# Altium PCB PCB MODULE AM625.PcbDoc (part 1 of 5) (continued)
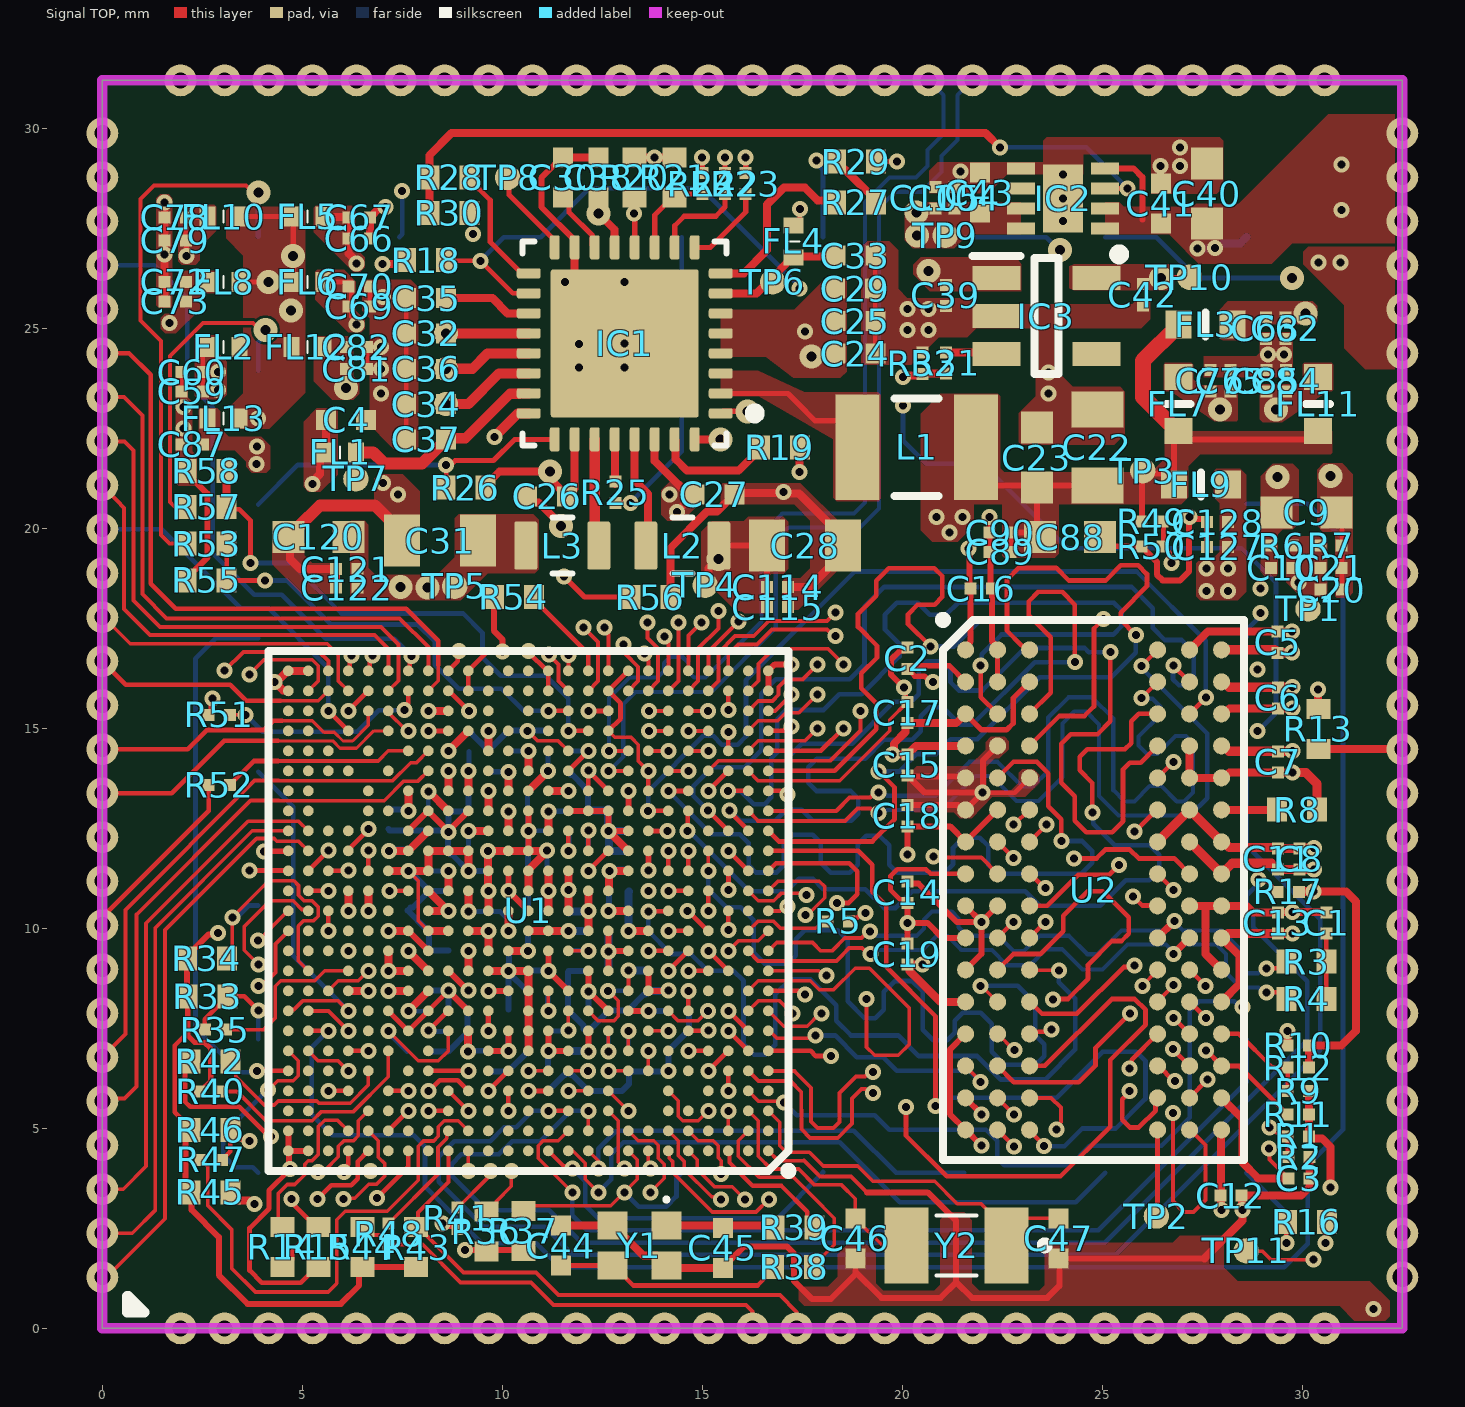
[diagram p0: Signal TOP view]
## Part data (continued)
C39 C42 C64 C67 C73 C79 C82 C87: library part CL03A105KQ3CSNC, "CAP CER 1UF 6.3V X5R 0201", Capacitance=1uF, Case/Package=0201, Case Code (Metric)=0603, Dielectric=X5R, Manufacturer=Samsung, Max Operating Temperature=85°C, Min Operating Temperature=-55°C, Supplier Part Number 1=1276-1323-2-ND, Tolerance=10%, Voltage Rating=6.3V, Case Code (Imperial)=0201, ComponentLink1Description=https://datasheet.ciiva.com/18699/cl03a105kq3csnc-18699129.pdf?src-supplier=Digi-Key, ComponentLink1URL=https://datasheet.ciiva.com/18699/cl03a105kq3csnc-18699129.pdf?src-supplier=Digi-Key, ComponentLink2Description=https://datasheet.ciiva.com/26838/getdatasheetpartid-355153-26838086.pdf?src-supplier=Verical, ComponentLink2URL=https://datasheet.ciiva.com/26838/getdatasheetpartid-355153-26838086.pdf?src-supplier=Verical, Construction=Flat, Contact Plating=Tin, Depth=0.3mm, Height=0.3mm, Length=0.6mm, Manufacturer Part Number=CL03A105KQ3CSNC, Mount="Surface Mount", Packaging="Tape and Reel", Pricing 1="10000=0.0226, 20000=0.0215, 30000=0.0204, 50000=0.0187, 100000=0.0154, 250000=0.0141 (USD)", Radiation Hardening=No, RoHS Compliant=Yes, Series=CL, Stock 1=1049900, Supplier 1=Digi-Key, Thickness=0.013inch, Width=0.012inch
C41: library part C1005X5R1C105K, "CAP CER 1.0UF 16V X5R 0402", Capacitance=1.0µF, Manufacturer="TDK Corporation", Operating Temperature="-55°C ~ 85°C", Package / Case="0402 (1005 Metric)", Ratings=-, Supplier Part Number=445-4978-1-ND, Temperature Coefficient=X5R, Tolerance=±10%, Voltage - Rated=16V, .Checked PCB=used, .Checked SCH=used, Applications="General Purpose", Category=Capacitors, ComponentLink1Description=http://www.tdk.co.jp/tefe02/e412_c.pdf, ComponentLink1URL=http://www.tdk.co.jp/tefe02/e412_c.pdf, Features=-, Height - Seated (Max)=-, Lead Spacing=-, Lead Style=-, Manufacturer Part Number=C1005X5R1C105K, Mounting Type="Surface Mount, MLCC", Packaging="Cut Tape (CT)", Price 1k [$]=0.02080, Pricing 1="1=0.24, 10=0.16, 100=0.064, 250=0.046, 500=0.0328, 1000=0.024 (USD)", RoHS="RoHS Compliant", Size / Dimension="0.039\" L x 0.020\" W (1.00mm x 0.50mm)", Stock 1=341010, Supplier=Digikey, Supplier 1=Digi-Key, Supplier Part Number 1=445-4978-1-ND, Thickness (Max)="0.022\" (0.55mm)"
C43: library part C1005X5R1H104K, "CAP CER .10UF 50V X5R 10% 0402", Capacitance=0.1µF, Manufacturer="TDK Corporation", Operating Temperature="-55°C ~ 85°C", Package / Case="0402 (1005 Metric)", Ratings=-, Supplier Part Number=445-5942-1-ND, Temperature Coefficient=X5R, Tolerance=±10%, Voltage - Rated=50V, .Checked PCB=used, .Checked SCH=used, Applications="General Purpose", Category=Capacitors, ComponentLink1Description=http://www.tdk.co.jp/tefe02/e412_c.pdf, ComponentLink1URL=http://www.tdk.co.jp/tefe02/e412_c.pdf, Features=-, Height - Seated (Max)=-, Lead Spacing=-, Lead Style=-, Manufacturer Part Number=C1005X5R1H104K, Mounting Type="Surface Mount, MLCC", Packaging="Cut Tape (CT)", Price 1k [$]=0.02340, Pricing 1="1=0.27, 10=0.18, 100=0.072, 250=0.05176, 500=0.0369, 1000=0.027 (USD)", RoHS="RoHS Compliant", Size / Dimension="0.039\" L x 0.020\" W (1.00mm x 0.50mm)", Stock 1=106926, Supplier=Digikey, Supplier 1=Digi-Key, Supplier Part Number 1=445-5942-1-ND, Thickness (Max)="0.022\" (0.55mm)"
C44 C45: library part GJM1555C1H180JB01D, "CAP CER 18PF 50V C0G/NP0 0402", Capacitance=18pF, Case/Package=0402, Case Code (Metric)=1005, Dielectric=C0G, Manufacturer=Murata, Max Operating Temperature=125°C, Min Operating Temperature=-55°C, Package Quantity=1, Supplier Part Number 1=490-3119-6-ND, Tolerance=5%, VOLTAGE=50V, Case Code (Imperial)=0402, ComponentLink1Description=https://datasheet.ciiva.com/156/product-156024.pdf?src-supplier=Digi-Key, ComponentLink1URL=https://datasheet.ciiva.com/156/product-156024.pdf?src-supplier=Digi-Key, ComponentLink2Description=https://datasheet.ciiva.com/18183/getdatasheetpartid-500953-18183813.pdf?src-supplier=Verical, ComponentLink2URL=https://datasheet.ciiva.com/18183/getdatasheetpartid-500953-18183813.pdf?src-supplier=Verical, ComponentLink3Description=https://datasheet.ciiva.com/156/partnumbering-e-01-156025.pdf?src-supplier=Digi-Key, ComponentLink3URL=https://datasheet.ciiva.com/156/partnumbering-e-01-156025.pdf?src-supplier=Digi-Key, ComponentLink4Description=https://datasheet.ciiva.com/156/partnumbering-e-01-156026.pdf?src-supplier=Digi-Key, ComponentLink4URL=https://datasheet.ciiva.com/156/partnumbering-e-01-156026.pdf?src-supplier=Digi-Key, Construction=Flat, Depth=0.5mm, Height=0.5mm, Lead Free="Lead Free", Length=1mm, Manufacturer Part Number=GJM1555C1H180JB01D, Mount="Surface Mount", Packaging="Tape and Reel", Pricing 1="1=0.15, 10=0.109, 50=0.0622, 100=0.0515, 500=0.0361, 1000=0.0299, 2500=0.0278, 5000=0.0254 (USD)", Radiation Hardening=No, RoHS Compliant=Yes, Series=GJM, Stock 1=411624, Supplier 1=Digi-Key, Termination=SMD/SMT, Thickness=0.022inch, Voltage Rating=50V, Voltage Rating (DC)=50V, Width=0.02inch
C46 C47: library part GJM1555C1H9R0DB01D, "CAP CER 9PF 50V C0G/NP0 0402", Capacitance=9pF, Case/Package=0402, Case Code (Metric)=1005, Dielectric=C0G, Manufacturer=Murata, Max Operating Temperature=125°C, Min Operating Temperature=-55°C, Package Quantity=10000, Supplier Part Number 1=490-14793-2-ND, Voltage Rating=50V, Case Code (Imperial)=0402, ComponentLink1Description=https://datasheet.ciiva.com/164/product-164917.pdf?src-supplier=Digi-Key, ComponentLink1URL=https://datasheet.ciiva.com/164/product-164917.pdf?src-supplier=Digi-Key, ComponentLink2Description=https://datasheet.ciiva.com/11609/product-11609467.pdf?src-supplier=Avnet, ComponentLink2URL=https://datasheet.ciiva.com/11609/product-11609467.pdf?src-supplier=Avnet, Construction=Flat, Depth=0.5mm, Height=0.5mm, Length=1mm, Manufacturer Part Number=GJM1555C1H9R0DB01D, Mount="Surface Mount", Packaging="Tape and Reel", Pricing 1="10000=0.0082, 20000=0.0078, 30000=0.0074, 50000=0.0067, 100000=0.0054, 250000=0.0052 (USD)", Radiation Hardening=No, RoHS Compliant=Yes, Series=GJM, Stock 1=0, Supplier 1=Digi-Key, Termination=SMD/SMT, Thickness=0.022inch, Voltage Rating (DC)=50V, Width=0.02inch
C48 C49 C50 C51 C52 C53 C54 C55 C56 C90 C105 C115 C122 C128: library part CL03A105KQ3CSNC, "CAP CER 1UF 6.3V X5R 0201", Case/Package=0201, Case Code (Metric)=0603, Dielectric=X5R, Manufacturer=Samsung, Max Operating Temperature=85°C, Min Operating Temperature=-55°C, Supplier Part Number 1=1276-1323-2-ND, Tolerance=10%, Voltage Rating=6.3V, Capacitance=1uF, Case Code (Imperial)=0201, ComponentLink1Description=https://datasheet.ciiva.com/18699/cl03a105kq3csnc-18699129.pdf?src-supplier=Digi-Key, ComponentLink1URL=https://datasheet.ciiva.com/18699/cl03a105kq3csnc-18699129.pdf?src-supplier=Digi-Key, ComponentLink2Description=https://datasheet.ciiva.com/26838/getdatasheetpartid-355153-26838086.pdf?src-supplier=Verical, ComponentLink2URL=https://datasheet.ciiva.com/26838/getdatasheetpartid-355153-26838086.pdf?src-supplier=Verical, Construction=Flat, Contact Plating=Tin, Depth=0.3mm, Height=0.3mm, Length=0.6mm, Manufacturer Part Number=CL03A105KQ3CSNC, Mount="Surface Mount", Packaging="Tape and Reel", Pricing 1="10000=0.0226, 20000=0.0215, 30000=0.0204, 50000=0.0187, 100000=0.0154, 250000=0.0141 (USD)", Radiation Hardening=No, RoHS Compliant=Yes, Series=CL, Stock 1=1049900, Supplier 1=Digi-Key, Thickness=0.013inch, Width=0.012inch
C57: library part C0603C0G1H2R2C030BA, "CAP CER 2.2PF 50V C0G 0201", Capacitance=2.2pF, Manufacturer="TDK Corporation", Operating Temperature="-55°C ~ 125°C", Package / Case="0201 (0603 Metric)", Ratings=-, Supplier Part Number 1=445-1771-1-ND, Temperature Coefficient="C0G, NP0", Tolerance=±0.25pF, Voltage - Rated=50V, .Checked PCB=MM, .Checked SCH=MM, .Creator=MM, Applications="General Purpose", Category=Capacitors, ComponentLink1Description=http://product.tdk.com/en/catalog/datasheets/mlcc_commercial_general_en.pdf, ComponentLink1URL=http://product.tdk.com/en/catalog/datasheets/mlcc_commercial_general_en.pdf, Features=-, Height - Seated (Max)=-, Lead Spacing=-, Lead Style=-, Manufacturer Part Number=C0603C0G1H2R2C030BA, Mounting Type="Surface Mount, MLCC", Packaging="Cut Tape (CT)", Pricing 1="1=0.1, 10=0.027, 100=0.0123, 250=0.01008, 500=0.00864, 1000=0.0066, 5000=0.0055 (USD)", RoHS="RoHS Compliant", Size / Dimension="0.024\" L x 0.012\" W (0.60mm x 0.30mm)", Stock 1=90496, Supplier 1=Digi-Key, Thickness (Max)="0.013\" (0.33mm)"
C60 C63 C70 C76 C85 C89 C104 C114 C121 C127: library part GRM035R60J475ME15D, "CAP CER 4.7UF 6.3V X5R 0201", Case/Package=0201, Case Code (Metric)=0603, Dielectric=X5R, Manufacturer=Murata, Max Operating Temperature=85°C, Min Operating Temperature=-55°C, Supplier Part Number 1=490-13230-2-ND, Tolerance=20%, Voltage Rating=6.3V, Capacitance=4.7uF, Case Code (Imperial)=0201, ComponentLink1Description=https://datasheet.octopart.com/GRM035R60J475ME15D-Murata-datasheet-140089765.pdf?src-supplier=Future+Electronics, ComponentLink1URL=https://datasheet.octopart.com/GRM035R60J475ME15D-Murata-datasheet-140089765.pdf?src-supplier=Future+Electronics, ComponentLink2Description=http://www.farnell.com/datasheets/2853106.pdf?src-supplier=Farnell, ComponentLink2URL=http://www.farnell.com/datasheets/2853106.pdf?src-supplier=Farnell, ComponentLink3Description=http://www.farnell.com/datasheets/2853106.pdf?src-supplier=Newark, ComponentLink3URL=http://www.farnell.com/datasheets/2853106.pdf?src-supplier=Newark, ComponentLink4Description=https://datasheet.octopart.com/GRM035R60J475ME15D-Murata-datasheet-149522819.pdf?src-supplier=Farnell, ComponentLink4URL=https://datasheet.octopart.com/GRM035R60J475ME15D-Murata-datasheet-149522819.pdf?src-supplier=Farnell, ComponentLink5Description=http://search.murata.co.jp/Ceramy/image/img/A01X/G101/ENG/GRM035R60J475ME15-01.pdf?src-supplier=Digi-Key, ComponentLink5URL=http://search.murata.co.jp/Ceramy/image/img/A01X/G101/ENG/GRM035R60J475ME15-01.pdf?src-supplier=Digi-Key, ComponentLink6Description=https://datasheet.octopart.com/GRM035R60J475ME15D-Murata-datasheet-165579666.pdf?src-supplier=TME, ComponentLink6URL=https://datasheet.octopart.com/GRM035R60J475ME15D-Murata-datasheet-165579666.pdf?src-supplier=TME, Length=0.024inch, Manufacturer Part Number=GRM035R60J475ME15D, Mount="Surface Mount", Packaging="Cut Tape", Pricing 1="10000=0.044, 50000=0.0377, 100000=0.0333, 250000=0.0331 (USD)", RoHS Compliant=Yes, Series=GRM, Stock 1=1730472, Supplier 1=Digi-Key, Thickness=0.022inch, Voltage Rating (DC)=6.3V, Width=0.012inch
FL1 FL2 FL4 FL5 FL6 FL8 FL10 FL12 FL13: "FERRITE BEAD 120 OHM 0402 1LN", Case/Package=0402, Case Code (Metric)=1005, Current Rating=2A, DC Resistance (DCR)=55mR, Manufacturer=Murata, Max Operating Temperature=125°C, Min Operating Temperature=-55°C, Package Quantity=1, Supplier Part Number 1=490-9656-2-ND, Test Frequency=100MHz, Tolerance=25%, Case Code (Imperial)=0402, ComponentLink1Description=https://datasheet.ciiva.com/41449/001172210-da-01-en-drossel-0402-120r-1-0x0-5mm-10000st-41449498.pdf?src-supplier=Conrad, ComponentLink1URL=https://datasheet.ciiva.com/41449/001172210-da-01-en-drossel-0402-120r-1-0x0-5mm-10000st-41449498.pdf?src-supplier=Conrad, ComponentLink2Description=https://datasheet.ciiva.com/41860/l0110e-41860699.pdf?src-supplier=Digi-Key, ComponentLink2URL=https://datasheet.ciiva.com/41860/l0110e-41860699.pdf?src-supplier=Digi-Key, ComponentLink3Description=https://datasheet.ciiva.com/29364/l0110e-29364069.pdf?src-supplier=Digi-Key, ComponentLink3URL=https://datasheet.ciiva.com/29364/l0110e-29364069.pdf?src-supplier=Digi-Key, Height=0.5mm, Impedance=120R, Lead Free="Lead Free", Length=1mm, Manufacturer Part Number=BLM15PX121SN1D, Material=Steel, Max Current Rating=2A, Max DC Current=2A, Number of Circuits=1, Number of Lines=1, Number of Pins=2, Packaging="Tape and Reel", Pricing 1="10000=0.0196 (USD)", Reach SVHC Compliant=Yes, RoHS Compliant=Yes, Series="EMIFIL®, BLM15P", Stock 1=490000, Supplier 1=Digi-Key, Termination=SMD/SMT, Weight=2.3E-05oz, Width=0.5mm
FL3 FL7 FL9 FL11: "FERRITE BEAD 26 OHM 0603 1LN", Case/Package=0603, Case Code (Metric)=1608, Current Rating=6A, DC Resistance (DCR)=7mR, Frequency=100MHz, Manufacturer=Murata, Max Operating Temperature=125°C, Min Operating Temperature=-55°C, Package Quantity=1, Supplier Part Number 1=490-3995-2-ND, Tolerance=25%, Case Code (Imperial)=0603, ComponentLink1Description=https://datasheet.ciiva.com/5709/5151-5709200.pdf?src-supplier=Farnell, ComponentLink1URL=https://datasheet.ciiva.com/5709/5151-5709200.pdf?src-supplier=Farnell, ComponentLink2Description=https://datasheet.ciiva.com/18183/getdatasheetpartid-243591-18183212.pdf?src-supplier=Verical, ComponentLink2URL=https://datasheet.ciiva.com/18183/getdatasheetpartid-243591-18183212.pdf?src-supplier=Verical, ComponentLink3Description=https://datasheet.ciiva.com/41449/001171725-da-01-en-chip-drossel0603-26r-6000ma-1-6x0-8mm-41449354.pdf?src-supplier=Conrad, ComponentLink3URL=https://datasheet.ciiva.com/41449/001171725-da-01-en-chip-drossel0603-26r-6000ma-1-6x0-8mm-41449354.pdf?src-supplier=Conrad, ComponentLink4Description=https://datasheet.ciiva.com/41449/001172314-da-01-en-drossel-0603-26r-1-6x0-8mm-10000st-41449676.pdf?src-supplier=Conrad, ComponentLink4URL=https://datasheet.ciiva.com/41449/001172314-da-01-en-drossel-0603-26r-1-6x0-8mm-10000st-41449676.pdf?src-supplier=Conrad, ComponentLink5Description=https://datasheet.ciiva.com/6212/l0110s0100blm18s-6212362.pdf?src-supplier=Digi-Key, ComponentLink5URL=https://datasheet.ciiva.com/6212/l0110s0100blm18s-6212362.pdf?src-supplier=Digi-Key, Core Material=Ferrite, DC Current=6A, DC Resistance-Max=7mR, Depth=0.8mm, Height=0.8mm, Impedance=26R, Lead Free="Lead Free", Length=1.6mm, Manufacturer Part Number=BLM18SG260TN1D, Material=Steel,Ferrite, Max Current Rating=6A, Max DC Current=6A, Military Standard=Not, Number of Circuits=1, Number of Lines=1, Number of Pins=2, Packaging="Tape and Reel", Pricing 1="10000=0.032, 20000=0.0305, 30000=0.0297 (USD)", Radiation Hardening=No, Reach SVHC Compliant=Yes, RoHS Compliant=Yes, Series=BLM18S, Stock 1=170000, Supplier 1=Digi-Key, Termination=SMD/SMT, Test Frequency=100MHz, Width=0.8mm
IC1: "INTEGRATED POWER MANAGEMENT", Arrow Part Number=TPS92682QRHMRQ1, Manufacturer="Texas Instruments", Mouser Part Number=595-TPS92682QRHMRQ1, Supplier Part Number 1=296-TPS6521904RHBRTR-ND, Arrow Price/Stock=https://www.arrow.com/en/products/tps92682qrhmrq1/texas-instruments, Datasheet Link=http://www.ti.com/lit/gpn/TPS92682-Q1, Height=0.9mm, Manufacturer_Name="Texas Instruments", Manufacturer_Part_Number=TPS92682QRHMRQ1, Manufacturer Part Number=TPS6521904RHBR, Mouser Price/Stock=https://www.mouser.co.uk/ProductDetail/Texas-Instruments/TPS92682QRHMRQ1?qs=RcG8xmE7yp2UHbI0mG8Vdw%3D%3D, Pricing 1="3000=1.4508, 6000=1.3962 (USD)", Stock 1=0, Supplier 1=Digi-Key
IC2: "Integrated Circuit", CURRENT=6A, Manufacturer="Texas Instruments", Max Operating Temperature=105°C, Max Supply Voltage=5.5V, Min Operating Temperature=-40°C, Mouser Part Number=595-TPS22965DSGT, On-State Resistance=16mR, Package Quantity=250, Quiescent Current=50uA, Supplier Part Number 1=3124076RL, Arrow Part Number=TPS22965DSGT, Arrow Price/Stock=https://www.arrow.com/en/products/tps22965dsgt/texas-instruments?region=nac, ComponentLink1Description=https://datasheet.ciiva.com/28652/1787980-28652428.pdf?src-supplier=Element14, ComponentLink1URL=https://datasheet.ciiva.com/28652/1787980-28652428.pdf?src-supplier=Element14, ComponentLink2Description=https://datasheet.ciiva.com/12073/tps22965-213489-12073929.pdf?src-supplier=Mouser, ComponentLink2URL=https://datasheet.ciiva.com/12073/tps22965-213489-12073929.pdf?src-supplier=Mouser, ComponentLink3Description=https://datasheet.ciiva.com/26909/getdatasheetpartid-636510-26909269.pdf?src-supplier=Verical, ComponentLink3URL=https://datasheet.ciiva.com/26909/getdatasheetpartid-636510-26909269.pdf?src-supplier=Verical, ComponentLink4Description=https://datasheet.ciiva.com/46385/1887483-46385450.pdf?src-supplier=Element14, ComponentLink4URL=https://datasheet.ciiva.com/46385/1887483-46385450.pdf?src-supplier=Element14, ComponentLink5Description=https://datasheet.ciiva.com/6608/tps22965-6608203.pdf?src-supplier=Digi-Key, ComponentLink5URL=https://datasheet.ciiva.com/6608/tps22965-6608203.pdf?src-supplier=Digi-Key, ComponentLink6Description=https://datasheet.ciiva.com/6608/tps22965-6608201.pdf?src-supplier=Digi-Key, ComponentLink6URL=https://datasheet.ciiva.com/6608/tps22965-6608201.pdf?src-supplier=Digi-Key, ComponentLink7Description=https://datasheet.ciiva.com/6608/tps22965-6608205.pdf?src-supplier=Digi-Key, ComponentLink7URL=https://datasheet.ciiva.com/6608/tps22965-6608205.pdf?src-supplier=Digi-Key, Contact Plating=Gold, Datasheet Link=http://www.ti.com/general/docs/suppproductinfo.tsp?distId=10&gotoUrl=http%3A%2F%2Fwww.ti.com%2Flit%2Fgpn%2Ftps22965, Height=0.8mm, Interface=On/Off, Lead Free="Lead Free", Length=2.1mm, Manufacturer_Name="Texas Instruments", Manufacturer_Part_Number=TPS22965DSGT, Manufacturer Part Number=TPS22965DSGT, Max Output Current=6A, Mount="Surface Mount", Mouser Price/Stock=https://www.mouser.co.uk/ProductDetail/Texas-Instruments/TPS22965DSGT?qs=VMlqFFbv3sTWjOIm1M%252B0jg%3D%3D, Number of Channels=1, Number of Outputs=1, Number of Pins=8, Output Configuration="High Side", Output Current=6A, Packaging="Tape and Reel", Pricing 1="100=0.547, 250=0.54, 500=0.531, 1000=0.524, 2500=0.516, 5000=0.508 (GBP)", Radiation Hardening=No, Reach SVHC Compliant=Yes, RoHS Compliant=Yes, Series=-, Stock 1=70, Supplier 1=Farnell, Turn-Off Delay Time=80us, Turn-On Delay Time=2.2ms, VOLTAGE=5.5V, Weight=0.000384oz, Width=2.1mm
IC3: "IC REG LINEAR 1.8V 500MA SOT23-5", Case/Package=SOT-23-5, Dropout Voltage=400mV, Manufacturer="Texas Instruments", Max Input Voltage=5.5V, Max Operating Temperature=125°C, Max Output Voltage=3.3V, Min Operating Temperature=-40°C, Min Output Voltage=1.8V, Mouser Part Number=595-TLV75518PDBVR, Output Current=500mA, Power Supply Rejection Ratio (PSRR)=52dB, Quiescent Current=31uA, Supplier Part Number 1=296-50410-2-ND, Arrow Part Number=TLV75518PDBVR, Arrow Price/Stock=https://www.arrow.com/en/products/tlv75518pdbvr/texas-instruments?region=nac, ComponentLink1Description=http://www.ti.com/lit/ds/symlink/tlv755p.pdf?src-supplier=Digi-Key, ComponentLink1URL=http://www.ti.com/lit/ds/symlink/tlv755p.pdf?src-supplier=Digi-Key, ComponentLink2Description=http://www.ti.com/general/docs/suppproductinfo.tsp?distId=10&amp;gotoUrl=http%3A%2F%2Fwww.ti.com%2Flit%2Fgpn%2Ftlv755p&src-supplier=Digi-Key, ComponentLink2URL=http://www.ti.com/general/docs/suppproductinfo.tsp?distId=10&amp;gotoUrl=http%3A%2F%2Fwww.ti.com%2Flit%2Fgpn%2Ftlv755p&src-supplier=Digi-Key, Datasheet Link=http://www.ti.com/lit/gpn/tlv755p, Height=1.45mm, Manufacturer_Name="Texas Instruments", Manufacturer_Part_Number=TLV75518PDBVR, Manufacturer Part Number=TLV75518PDBVR, Mount="Surface Mount", Mouser Price/Stock=https://www.mouser.co.uk/ProductDetail/Texas-Instruments/TLV75518PDBVR?qs=55YtniHzbhCKl5yPgBW9OQ%3D%3D, Number of Regulators=1, Output Configuration=Positive, Output Type=Fixed, Packaging="Cut Tape", Pricing 1="3000=0.1054, 6000=0.0996, 15000=0.0908, 30000=0.0849, 75000=0.0762 (USD)", Stock 1=9000, Supplier 1=Digi-Key
L1: library part DFE322520F-R47M=P2, "FIXED IND 0.47UH 8.5A", Manufacturer=Murata, Manufacturer Part Number=DFE322520F-R47M=P2, Supplier Part Number 1=490-DFE322520F-R47M=P2DKR-ND, Pricing 1="1=0.7, 10=0.648, 25=0.548, 50=0.4982, 100=0.4683, 250=0.4185, 500=0.3587, 1000=0.3188 (USD)", Stock 1=1396, Supplier 1=Digi-Key
L2 L3: library part TFM201208BLE-R47MTCF, "470 nH Shielded Thin Film Inductor 4 A 29mOhm Max 0805 (2012 Metric)", Manufacturer=TDK, Supplier Part Number 1=445-TFM201208BLE-R47MTCFDKR-ND, Manufacturer Part Number=TFM201208BLE-R47MTCF, Pricing 1="1=0.55, 10=0.507, 25=0.4288, 50=0.3898, 100=0.3664, 250=0.3274, 500=0.2807, 1000=0.2495 (USD)", Stock 1=2175, Supplier 1=Digi-Key
PIN1: library part PIN_OUT
R1 R2 R6 R7 R9 R12: library part RC0201FR-071KL, "RES 1K OHM 1/20W 1% 0201 SMD", Manufacturer=Yageo, Package / Case="0201 (0603 Metric)", Power (Watts)="0.05W, 1/20W", Supplier Device Package=0201, Supplier Part Number 1=311-1KMCT-ND, Temperature Coefficient=±200ppm/°C, Tolerance=±1%, .Checked PCB=MM, .Checked SCH=MM, .Creator=MM, Category=Resistors, ComponentLink1Description=http://www.yageo.com/documents/recent/PYu-RC0201_51_RoHS_L_8.pdf, ComponentLink1URL=http://www.yageo.com/documents/recent/PYu-RC0201_51_RoHS_L_8.pdf, Composition="Thick Film", Features="Moisture Resistant", Height="0.010\" (0.26mm)", Manufacturer Part Number=RC0201FR-071KL, Number of Terminations=2, Packaging="Cut Tape (CT)", Pricing 1="1=0.1, 10=0.074, 25=0.054, 100=0.0303, 250=0.02312, 500=0.0185, 1000=0.01361, 2500=0.01182, 5000=0.00976 (USD)", Resistance (Ohms)=1k, RoHS="RoHS Compliant", Size / Dimension="0.024\" L x 0.012\" W (0.60mm x 0.30mm)", Stock 1=0, Supplier 1=Digi-Key
R3 R4: library part RMCF0402FT39R2, "RES 39.2 OHM 1% 1/16W 0402", Case/Package=0402, Case Code (Metric)=1005, Manufacturer="Stackpole Electronics", Max Operating Temperature=155°C, Max Power Dissipation=63mW, Min Operating Temperature=-55°C, Resistor Type="Thick Film", Supplier Part Number 1=RMCF0402FT39R2TR-ND, Temperature Coefficient=100ppm/°C, Tolerance=1%, Case Code (Imperial)=0402, ComponentLink1Description=https://www.seielect.com/catalog/SEI-RMCF_RMCP.pdf?src-supplier=Avnet, ComponentLink1URL=https://www.seielect.com/catalog/SEI-RMCF_RMCP.pdf?src-supplier=Avnet, ComponentLink2Description=https://www.seielect.com/catalog/SEI-Packaging.pdf?src-supplier=Digi-Key, ComponentLink2URL=https://www.seielect.com/catalog/SEI-Packaging.pdf?src-supplier=Digi-Key, ComponentLink3Description=https://www.seielect.com/catalog/sei-rmcf_rmcp.pdf?src-supplier=Digi-Key, ComponentLink3URL=https://www.seielect.com/catalog/sei-rmcf_rmcp.pdf?src-supplier=Digi-Key, Contact Plating=Tin,Matte, Features="Automotive AEC-Q200", Height=0.016inch, Lead Free="Lead Free", Length=0.039inch, Manufacturer Part Number=RMCF0402FT39R2, Mount="Surface Mount", Number of Terminations=2, Packaging="Tape and Reel", Pricing 1="10000=0.0028, 20000=0.0025, 30000=0.0023, 50000=0.0021, 100000=0.0019 (USD)", Radiation Hardening=No, Resistance=39.2R, RoHS Compliant=Yes, Series=RMCF, Stock 1=220000, Supplier 1=Digi-Key, Width=0.02inch
R5: library part RMCF0201FT240R, "RES 240 OHM 1/20W 1% 0201", Manufacturer="Stackpole Electronics Inc", Package / Case="0201 (0603 Metric)", Power (Watts)="0.05W, 1/20W", Resistance (Ohms)=240, Supplier Device Package=0201, Supplier Part Number 1=RMCF0201FT240RCT-ND, Temperature Coefficient=±200ppm/°C, Tolerance=±1%, .Checked PCB=MM, .Checked SCH=MM, .Creator=MM, Category=Resistors, ComponentLink1Description=http://www.seielect.com/Catalog/SEI-RMCF_RMCP.pdf, ComponentLink1URL=http://www.seielect.com/Catalog/SEI-RMCF_RMCP.pdf, Composition="Thick Film", Features=-, Height="0.009\" (0.24mm)", Manufacturer Part Number=RMCF0201FT240R, Number of Terminations=2, Packaging="Cut Tape (CT)", Pricing 1="1=0.12, 10=0.084, 50=0.046, 100=0.035, 250=0.026, 500=0.0192, 1000=0.0128, 2500=0.0108, 5000=0.009 (USD)", RoHS="RoHS Compliant", Size / Dimension="0.024\" L x 0.012\" W (0.60mm x 0.30mm)", Stock 1=37080, Supplier 1=Digi-Key
R8: library part RMCF0402FT240R, "RES TF 240 OHM 1% 0.0625W 0402", Manufacturer="Stackpole Electronics Inc", Package / Case="0402 (1005 Metric)", Power (Watts)="0.063W, 1/16W", Resistance (Ohms)=240, Supplier Part Number=RMCF0402FT240RCT-ND, Temperature Coefficient=±100ppm/°C, Tolerance=±1%, .Checked PCB=used, .Checked SCH=used, Category=Resistors, ComponentLink1Description=http://www.seielect.com/Catalog/SEI-RMCF.pdf, ComponentLink1URL=http://www.seielect.com/Catalog/SEI-RMCF.pdf, Composition="Thick Film", Features=-, Height="0.016\" (0.40mm)", Manufacturer Part Number=RMCF0402FT240R, Number of Terminations=2, Packaging="Cut Tape (CT)", Price 1k [$]=0.00384, Pricing 1="1=0.04, 10=0.025, 50=0.0138, 100=0.0105, 250=0.0078, 500=0.00576, 1000=0.00384 (USD)", RoHS="RoHS Compliant", Size / Dimension="0.039\" L x 0.020\" W (1.00mm x 0.50mm)", Stock 1=39860, Supplier=Digikey, Supplier 1=Digi-Key, Supplier Part Number 1=RMCF0402FT240RCT-ND
R10 R11 R17 R32 R40 R41: library part RC0201FR-0710KL, "RES 10K OHM 1/20W 1% 0201 SMD", Manufacturer=Yageo, Package / Case="0201 (0603 Metric)", Power (Watts)="0.05W, 1/20W", Supplier Device Package=0201, Supplier Part Number 1=311-10.0KMCT-ND, Temperature Coefficient=±200ppm/°C, Tolerance=±1%, .Checked PCB=MM, .Checked SCH=MM, .Creator=MM, Category=Resistors, ComponentLink1Description=http://www.yageo.com/documents/recent/PYu-RC0201_51_RoHS_L_8.pdf, ComponentLink1URL=http://www.yageo.com/documents/recent/PYu-RC0201_51_RoHS_L_8.pdf, Composition="Thick Film", Features="Moisture Resistant", Height="0.010\" (0.26mm)", Manufacturer Part Number=RC0201FR-0710KL, Number of Terminations=2, Packaging="Cut Tape (CT)", Pricing 1="1=0.1, 10=0.074, 25=0.054, 100=0.0303, 250=0.02312, 500=0.0185, 1000=0.01361, 2500=0.01182, 5000=0.00976 (USD)", Resistance (Ohms)=10k, RoHS="RoHS Compliant", Size / Dimension="0.024\" L x 0.012\" W (0.60mm x 0.30mm)", Stock 1=529049, Supplier 1=Digi-Key
R13 R16: library part RC0402FR-0722RL, "RES 22.0 OHM 1/16W 1% 0402 SMD", Manufacturer=Yageo, Package / Case="0402 (1005 Metric)", Power (Watts)="0.063W, 1/16W", Resistance (Ohms)=22, Supplier Part Number=311-22.0LRCT-ND, Temperature Coefficient=±100ppm/°C, Tolerance=±1%, .Checked PCB=used, .Checked SCH=used, Category=Resistors, ComponentLink1Description=http://www.yageo.com/documents/recent/PYu-RC0402_51_RoHS_L_6.pdf, ComponentLink1URL=http://www.yageo.com/documents/recent/PYu-RC0402_51_RoHS_L_6.pdf, Composition="Thick Film", Features=-, Height="0.016\" (0.40mm)", Manufacturer Part Number=RC0402FR-0722RL, Number of Terminations=2, Packaging="Cut Tape (CT)", Price 1k [$]=0.01421, Pricing 1="10=0.014, 50=0.0104, 100=0.0079, 250=0.00584, 500=0.00432, 1000=0.00288 (USD)", RoHS="RoHS Compliant", Size / Dimension="0.039\" L x 0.020\" W (1.00mm x 0.50mm)", Stock 1=943800, Supplier=Digikey, Supplier 1=Digi-Key, Supplier Part Number 1=311-22.0LRCT-ND
R14 R26 R27 R28 R38 R39 R42: library part RC0402JR-070RL, "RES 0.0 OHM 1/16W 0402 SMD", Manufacturer=Yageo, Package / Case="0402 (1005 Metric)", Power (Watts)="0.063W, 1/16W", Resistance (Ohms)=0.0, Supplier Part Number=311-0.0JRCT-ND, Temperature Coefficient=-, Tolerance=Jumper, .Checked PCB=used, .Checked SCH=used, Category=Resistors, ComponentLink1Description=http://www.yageo.com/documents/recent/PYu-RC0402_51_RoHS_L_6.pdf, ComponentLink1URL=http://www.yageo.com/documents/recent/PYu-RC0402_51_RoHS_L_6.pdf, Composition="Thick Film", Features=-, Height="0.016\" (0.40mm)", Manufacturer Part Number=RC0402JR-070RL, Number of Terminations=2, Packaging="Cut Tape (CT)", Price 1k [$]=0.01389, Pricing 1="10=0.012, 50=0.009, 100=0.0069, 250=0.00512, 500=0.0038, 1000=0.00253 (USD)", RoHS="RoHS Compliant", Size / Dimension="0.039\" L x 0.020\" W (1.00mm x 0.50mm)", Stock 1=1106330, Supplier=Digikey, Supplier 1=Digi-Key, Supplier Part Number 1=311-0.0JRCT-ND
R15: library part RC0402FR-0749R9L, "RES 49.9 OHM 1/16W 1% 0402 SMD", Manufacturer=Yageo, Package / Case="0402 (1005 Metric)", Power (Watts)="0.063W, 1/16W", Resistance (Ohms)=49.9, Supplier Part Number=311-49.9LRCT-ND, Temperature Coefficient=±100ppm/°C, Tolerance=±1%, .Checked PCB=used, .Checked SCH=used, Category=Resistors, ComponentLink1Description=http://www.yageo.com/documents/recent/PYu-RC0402_51_RoHS_L_6.pdf, ComponentLink1URL=http://www.yageo.com/documents/recent/PYu-RC0402_51_RoHS_L_6.pdf, Composition="Thick Film", Features=-, Height="0.016\" (0.40mm)", Manufacturer Part Number=RC0402FR-0749R9L, Number of Terminations=2, Packaging="Cut Tape (CT)", Price 1k [$]=0.01421, Pricing 1="10=0.014, 50=0.0104, 100=0.0079, 250=0.00584, 500=0.00432, 1000=0.00288 (USD)", RoHS="RoHS Compliant", Size / Dimension="0.039\" L x 0.020\" W (1.00mm x 0.50mm)", Stock 1=235950, Supplier=Digikey, Supplier 1=Digi-Key, Supplier Part Number 1=311-49.9LRCT-ND
R18 R19 R20 R21 R29 R30 R53 R55 R57 R58: library part RC0402FR-0710KL, "RES 10.0K OHM 1/16W 1% 0402 SMD", Manufacturer=Yageo, Package / Case="0402 (1005 Metric)", Power (Watts)="0.063W, 1/16W", Resistance (Ohms)=10K, Supplier Part Number=311-10.0KLRCT-ND, Temperature Coefficient=±100ppm/°C, Tolerance=±1%, .Checked PCB=used, .Checked SCH=used, Category=Resistors, ComponentLink1Description=http://www.yageo.com/documents/recent/PYu-RC0402_51_RoHS_L_6.pdf, ComponentLink1URL=http://www.yageo.com/documents/recent/PYu-RC0402_51_RoHS_L_6.pdf, Composition="Thick Film", Features=-, Height="0.016\" (0.40mm)", Manufacturer Part Number=RC0402FR-0710KL, Number of Terminations=2, Packaging="Cut Tape (CT)", Price 1k [$]=0.01421, Pricing 1="10=0.014, 50=0.0104, 100=0.0079, 250=0.00584, 500=0.00432, 1000=0.00288 (USD)", RoHS="RoHS Compliant", Size / Dimension="0.039\" L x 0.020\" W (1.00mm x 0.50mm)", Stock 1=2916495, Supplier=Digikey, Supplier 1=Digi-Key, Supplier Part Number 1=311-10.0KLRCT-ND
R22 R23 R24 R25 R31: library part RC0201JR-070RL, "RES 0 OHM JUMPER 1/20W 0201", Case/Package=0201, Case Code (Metric)=0603, Manufacturer=Yageo, Max Operating Temperature=125°C, Max Power Dissipation=50mW, Min Operating Temperature=-55°C, Package Quantity=1, Resistance Tolerance=5%, Resistor Type="Thick Film", Supplier Part Number 1=311-0.0NDKR-ND, Voltage Rating=25V, Case Code (Imperial)=0201, ComponentLink1Description=https://datasheet.ciiva.com/7672/1563626-7672248.pdf?src-supplier=Element14, ComponentLink1URL=https://datasheet.ciiva.com/7672/1563626-7672248.pdf?src-supplier=Element14, ComponentLink2Description=https://datasheet.ciiva.com/7672/1563626-7672247.pdf?src-supplier=Element14, ComponentLink2URL=https://datasheet.ciiva.com/7672/1563626-7672247.pdf?src-supplier=Element14, ComponentLink3Description=https://datasheet.ciiva.com/7660/1421516-7660808.pdf?src-supplier=Element14, ComponentLink3URL=https://datasheet.ciiva.com/7660/1421516-7660808.pdf?src-supplier=Element14, ComponentLink4Description=https://datasheet.ciiva.com/46391/1421516-46391340.pdf?src-supplier=Element14, ComponentLink4URL=https://datasheet.ciiva.com/46391/1421516-46391340.pdf?src-supplier=Element14, ComponentLink5Description=https://datasheet.ciiva.com/8896/pyu-rc0201-51-rohs-l-8-8896143.pdf?src-supplier=Avnet, ComponentLink5URL=https://datasheet.ciiva.com/8896/pyu-rc0201-51-rohs-l-8-8896143.pdf?src-supplier=Avnet, Construction=Rectangular, Contact Plating=Tin,Matte, Depth=0.3mm, Features="Moisture Resistant", Height=0.01inch, Lead Free="Lead Free", Length=0.024inch, Manufacturer Part Number=RC0201JR-070RL, Military Standard=Not, Number of Terminations=2, Packaging="Tape and Reel", Power Rating=50mW, Pricing 1="1=0.1, 10=0.037, 25=0.0268, 50=0.0202, 100=0.015, 250=0.0114, 500=0.0091, 1000=0.0067, 5000=0.0048 (USD)", Radiation Hardening=No, Resistance=0R, RoHS Compliant=Yes, Series=RC, Size Code=0201, Stock 1=3344581, Supplier 1=Digi-Key, Termination=SMD/SMT, Tolerance=5%, Voltage Rating (DC)=25V, Weight=6E-06oz, Width=0.012inch
R33 R34 R36 R37 R43 R44 R45 R46: library part RC0402FR-072K2L, "RES 2.20K OHM 1/16W 1% 0402 SMD", Manufacturer=Yageo, Package / Case="0402 (1005 Metric)", Power (Watts)="0.063W, 1/16W", Resistance (Ohms)=2.2K, Supplier Part Number=311-2.20KLRCT-ND, Temperature Coefficient=±100ppm/°C, Tolerance=±1%, .Checked PCB=used, .Checked SCH=used, Category=Resistors, ComponentLink1Description=http://www.yageo.com/documents/recent/PYu-RC0402_51_RoHS_L_6.pdf, ComponentLink1URL=http://www.yageo.com/documents/recent/PYu-RC0402_51_RoHS_L_6.pdf, Composition="Thick Film", Features=-, Height="0.016\" (0.40mm)", Manufacturer Part Number=RC0402FR-072K2L, Number of Terminations=2, Packaging="Cut Tape (CT)", Price 1k [$]=0.01421, Pricing 1="10=0.014, 50=0.0104, 100=0.0079, 250=0.00584, 500=0.00432, 1000=0.00288 (USD)", RoHS="RoHS Compliant", Size / Dimension="0.039\" L x 0.020\" W (1.00mm x 0.50mm)", Stock 1=195154, Supplier=Digikey, Supplier 1=Digi-Key, Supplier Part Number 1=311-2.20KLRCT-ND